# Altium PCB SolderingStation_ASCII.PcbDoc (part 3 of 3)
Units mm, origin at the board's own origin, x right, y up, seen from the top; angles counter-clockwise.
Board outline 138.15 x 60.81 mm, 2 copper layers (Top Layer, Bottom Layer), stack 1.671 mm thick; 227 components, 141 nets, 684 pads, 483 vias.
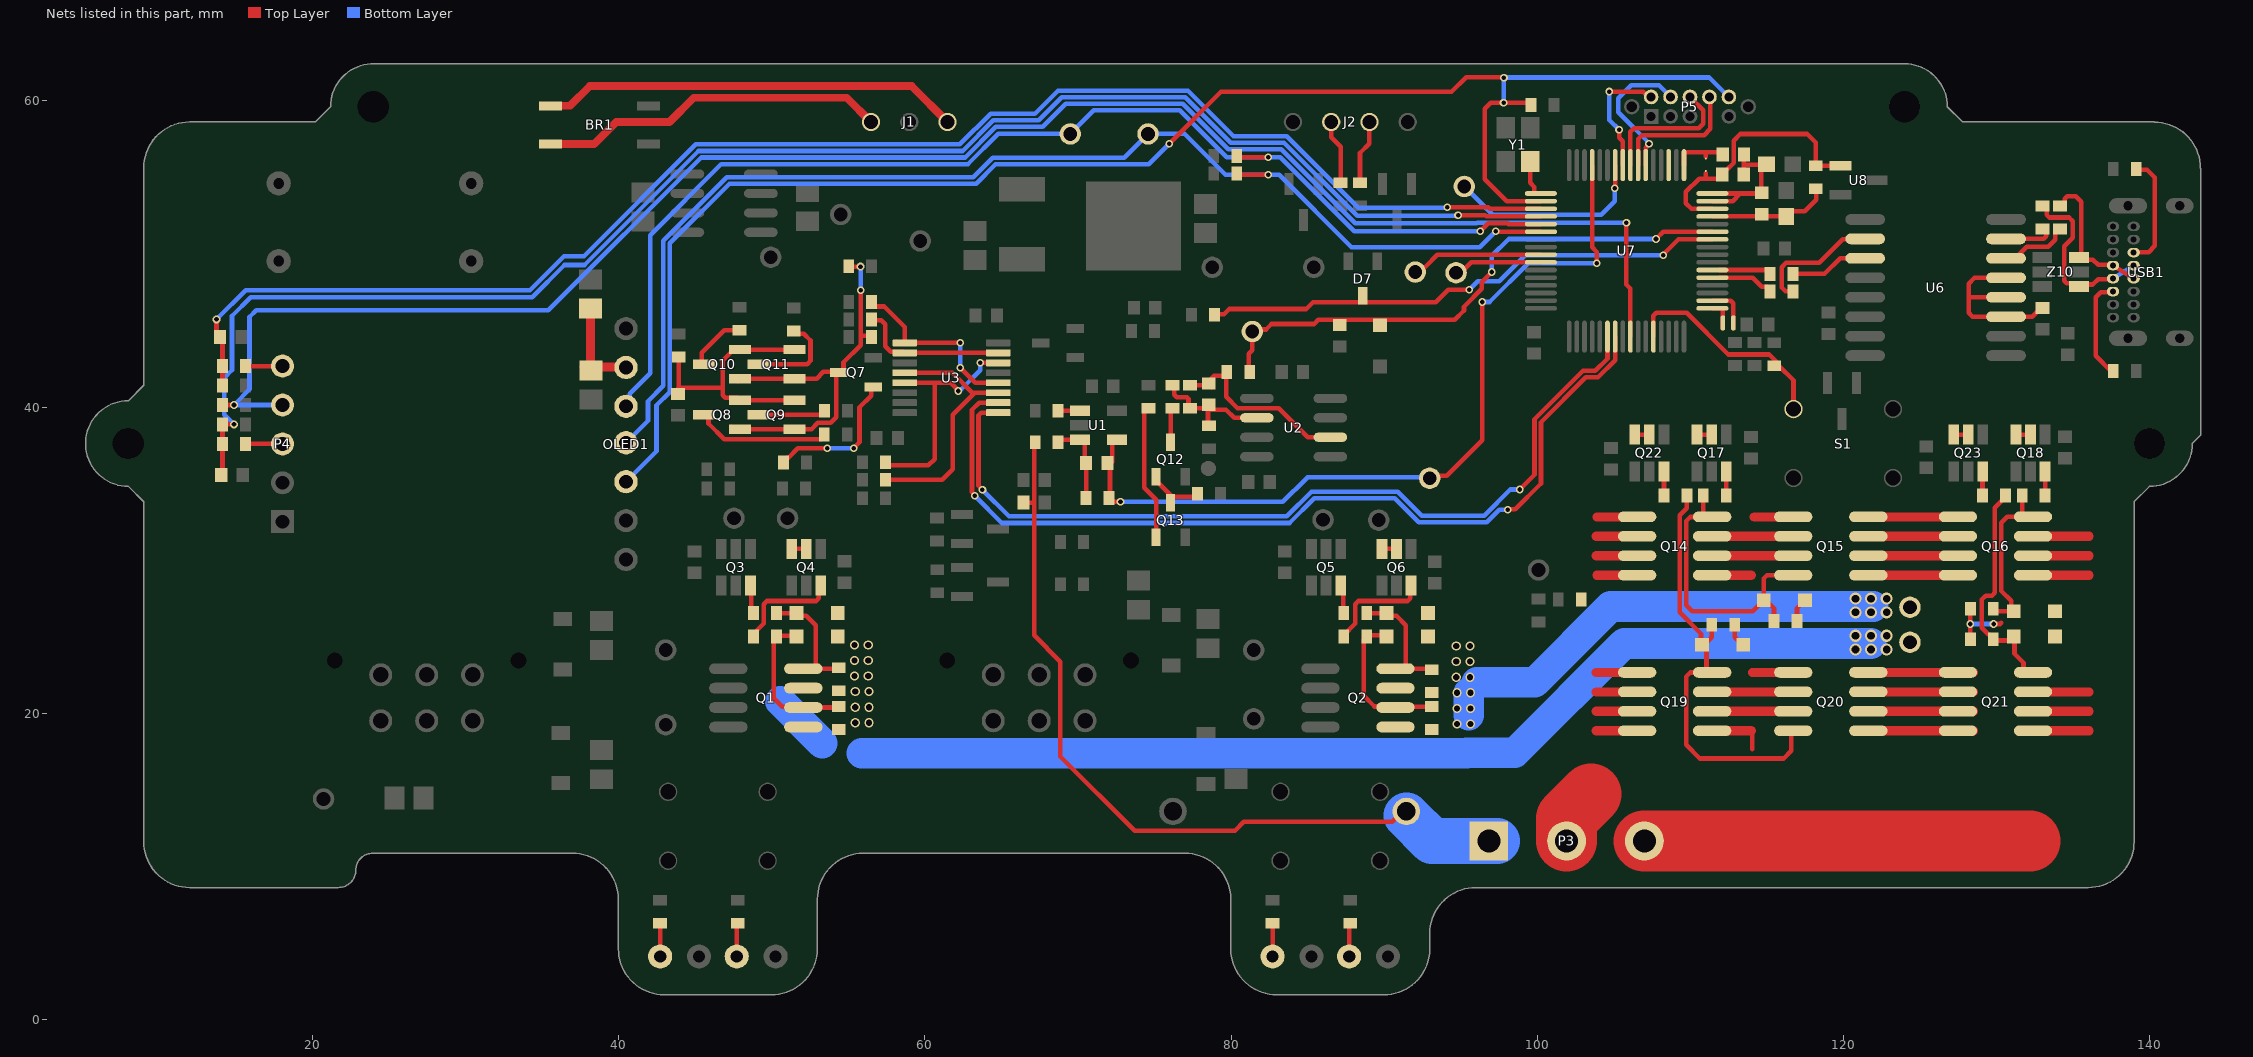
[diagram p3: the nets of this part, all layers, seen from the top]

## Via types
v1: diameter 0.5, hole 0.3, Top Layer to Bottom Layer, tented both sides, 440 vias
v2: diameter 0.6, hole 0.4, Top Layer to Bottom Layer, tented both sides, 30 vias
v3: diameter 0.8, hole 0.5, Top Layer to Bottom Layer, tented both sides, 12 vias
v4: diameter 0.75, hole 0.3, Top Layer to Bottom Layer, tented both sides, 1 vias

## Nets (pads, with @x,y where several pads share a name; then routed paths per layer and width w, separated by ;. In a path a pad name is that pad's centre, name@x,y a point inside that pad or via, vN(x,y) a via of type N, cw(c..) or ccw(c..) an arc to the next point about the centre after c; other vN are vias at no path point) (continued)
MUX_SEL0: U3.9 U7.54 | length 56.9
  Top Layer w0.3: v1(63.754,34.59) 63.754,34.612 63.5,34.866 63.5,39.461 63.676,39.636 U3.9@64.684,39.636 ; v1(98.857,34.615) 99.809,35.568 99.809,39.192 102.98,42.362 103.784,42.362 104.577,43.155 U7.54@104.577,44.599
  Bottom Layer w0.3: v1(63.754,34.59) 65.489,32.855 83.631,32.855 85.246,34.47 90.879,34.47 92.445,32.904 96.522,32.904 98.233,34.615 v1(98.857,34.615)
MUX_SEL1: U3.10 U7.55 | length 59.6
  Top Layer w0.3: v1(63.246,34.209) 63.246,34.263 63.073,34.436 63.073,39.813 63.546,40.286 U3.10@64.684,40.286 ; v1(98.075,33.289) 98.113,33.327 98.559,33.327 100.236,35.004 100.236,39.015 103.157,41.935 103.961,41.935 105.077,43.051 U7.55@105.077,44.599
  Bottom Layer w0.3: v1(63.246,34.209) 65.027,32.428 83.808,32.428 85.423,34.043 90.696,34.043 92.262,32.477 96.699,32.477 97.511,33.289 v1(98.075,33.289)
NetBR1_3: BR1.3 J1.1 | length 27.4
  Top Layer w0.508: BR1.3@35.547,59.671 36.822,59.671 38.112,60.961 59.132,60.961 J1.1@61.476,58.617
NetBR1_4: BR1.4 J1.3 | length 22.8
  Top Layer w0.508: BR1.4@35.547,57.171 38.386,57.171 39.832,58.617 43.319,58.617 44.901,60.199 54.894,60.199 J1.3@56.476,58.617
NetC10_1: C10.1 R16.1 R17.1 U1.3 | length 5.1
  Top Layer w0.3: R16.1@68.783,37.797 68.849,37.863 U1.3@70.185,37.863 ; U1.3@70.446,37.797 70.446,36.678 70.522,36.601 R17.1@70.522,34.138
NetC16_1: C16.1 R26.2 R27.1 R28.1 U2.2 | length 7.1
  Top Layer w0.3: R27.1@76.196,41.417 R27.1@76.198,41.419 ; R27.1@76.225,41.415 76.277,41.363 76.277,40.816 76.453,40.64 77.115,40.64 77.215,40.54 77.215,39.989 77.29,39.914 77.292,39.915 78.411,39.915 C16.1@78.461,39.866 ; R26.2@78.484,38.777 78.484,39.817 79.664,39.817 80.191,39.29 U2.2@80.836,39.29
NetC16_2: C16.2 R28.2 R29.2 U2.6 | length 12.5
  Top Layer w0.3: R28.2@77.292,41.415 78.31,41.415 78.461,41.566 78.461,41.616 78.881,42.037 79.517,42.037 79.641,42.161 79.68,42.122 79.68,40.665 80.416,39.929 83.109,39.929 85.01,38.027 U2.6@86.48,38.027 ; C16.2@78.461,41.559 C16.2@78.727,41.293
NetC17_2: C17.2 Q8.2 Q9.2 Q10.2 Q11.2 R24.2 | length 17.1
  Top Layer w0.3: C17.2@43.866,41.007 44.108,41.25 46.787,41.25 ; 43.885,41.268 43.917,41.3 R24.2@43.917,43.268 ; 49.671,43.75 47.498,43.75 47.348,43.6 47.348,43.597 46.787,43.037 46.787,41.25 ; 49.694,43.75 Q11.2@51.479,43.75 ; Q9.2@51.479,40.448 Q8.2@47.923,40.448 47.773,40.598 46.963,40.598 46.787,40.774 46.787,41.25
NetC40_2: C40.2 L3.2 OLED1.6 | length 6.6
  Top Layer w0.6: C40.2@37.731,42.612 40.449,42.612 OLED1.6@40.476,42.585 ; C40.2@38.151,42.608 L3.2@38.151,46.442
NetD5_A: D5.A R9.1 | length 2.3
  Top Layer w0.3: D5.A@47.766,4.177 D5.A@47.706,4.117 47.706,6.219 R9.1@47.776,6.289
NetD6_A: D6.A R10.1 | length 2.4
  Top Layer w0.3: R10.1@87.781,6.289 87.706,6.214 D6.A@87.706,4.117 D6.A@87.858,4.269
NetD14_A: D14.A R59.2 | length 2.3
  Top Layer w0.3: R59.2@82.701,6.289 82.706,6.284 D14.A@82.706,4.117 D14.A@82.792,4.203
NetD15_A: D15.A R62.1 | length 2.2
  Top Layer w0.3: R62.1@42.696,6.289 42.706,6.279 D15.A@42.706,4.117 D15.A@42.726,4.137
NetJ2_2: J2.2 R52.2 | length 4.2
  Top Layer w0.3: R52.2@88.416,54.652 88.416,56.589 89.031,57.204 J2.2@89.031,58.617
NetJ2_3: J2.3 R56.2 | length 4.2
  Top Layer w0.3: J2.3@86.531,58.617 86.531,57.627 87.146,57.012 R56.2@87.146,54.652
NetP4_3: P4.3 R67.1 | length 2.4
  Top Layer w0.3: R67.1@15.621,37.593 P4.3@18.046,37.593
NetP4_5: P4.5 R66.1 | length 2.4
  Top Layer w0.3: R66.1@15.621,42.673 P4.5@18.046,42.673
NetQ1_2: Q1.2 R2.1 R6.2 Z2.A | length 9.7
  Top Layer w0.3: R6.2@50.19,25.071 51.502,25.071 Z2.A@51.522,25.091 ; R6.2@50.3,25.02 50.124,24.845 50.124,20.992 50.684,20.433 51.998,20.433 Q1.2@52.057,20.374 54.052,20.374 R2.1@54.114,20.436
NetQ1_4: Q1.4 R1.1 R5.2 Z1.A | length 7.6
  Top Layer w0.3: R5.2@50.19,26.544 50.194,26.54 Z1.A@51.268,26.54 ; Z1.A@51.333,26.413 Z1.A@51.379,26.367 ; Z1.A@51.522,26.54 51.7,26.362 52.246,26.362 52.861,25.747 Q1.4@52.861,23.025 ; Q1.4@52.057,22.914 52.861,22.914 54.052,22.914 R1.1@54.114,22.976
NetQ2_2: Q2.2 R4.1 R8.2 Z4.A | length 9.8
  Top Layer w0.3: R8.2@88.85,25.02 88.656,24.827 88.656,21.143 89.36,20.439 90.662,20.439 Q2.2@90.727,20.374 90.789,20.436 R4.1@92.784,20.436 ; R8.2@88.86,25.147 88.916,25.091 Z4.A@90.192,25.091
NetQ2_4: Q2.4 R3.1 R7.2 Z3.A | length 7.7
  Top Layer w0.3: R7.2@88.744,26.54 Z3.A@89.818,26.54 ; Z3.A@90.25,26.362 90.796,26.362 91.411,25.747 Q2.4@91.411,23.025 ; Q2.4@90.566,23.075 Q2.4@90.727,22.914 R3.1@92.722,22.914 ; R3.1@92.784,22.976 R3.1@92.722,22.914 ; R3.1@92.849,22.849 92.784,22.914 R3.1@92.722,22.914
NetQ3_1: Q3.1 R5.1 | length 1.8
  Top Layer w0.3: Q3.1@48.663,28.34 48.663,26.572 R5.1@48.69,26.544
NetQ4_1: Q4.1 R6.1 | length 7
  Top Layer w0.3: R6.1@48.69,25.071 R6.1@48.69,25.171 ; R6.1@48.74,25.121 49.479,25.86 49.479,27.129 49.68,27.33 52.895,27.33 53.071,27.506 Q4.1@53.071,28.34
NetQ4_4: Q4.4 Q4.5 | length 1
  Top Layer w0.3: Q4.4@51.171,30.74 Q4.5@52.121,30.74
NetQ5_1: Q5.1 R7.1 | length 1.8
  Top Layer w0.3: Q5.1@87.333,28.34 87.333,26.572 R7.1@87.36,26.544
NetQ6_1: Q6.1 R8.1 | length 7
  Top Layer w0.3: R8.1@87.32,25.071 R8.1@87.32,25.171 ; R8.1@87.345,25.096 88.109,25.86 88.109,27.129 88.31,27.33 91.525,27.33 91.701,27.506 Q6.1@91.701,28.34
NetQ6_4: Q6.4 Q6.5 | length 1
  Top Layer w0.3: Q6.4@89.841,30.74 Q6.5@90.791,30.74
NetQ7_1: Q7.1 R20.1 | length 9.6
  Top Layer w0.3: R20.1@50.761,36.373 50.761,36.473 50.961,36.673 51.061,36.673 51.701,37.313 v1(53.619,37.313) ; v1(55.347,37.313) 55.728,37.694 55.728,39.98 56.489,40.741 56.489,41.181 Q7.1@56.624,41.316
  Bottom Layer w0.3: v1(53.619,37.313) v1(55.347,37.313)
NetQ7_3: Q7.3 Q8.1 Q9.1 Q10.1 Q11.1 R18.2 R21.2 | length 26.1
  Top Layer w0.3: Q8.1@47.348,38.698 47.498,38.548 Q8.1@47.923,38.548 Q9.1@51.429,38.548 ; Q10.1@47.773,41.7 Q10.1@47.923,41.85 Q11.1@51.429,41.85 ; Q9.1@51.479,38.548 51.489,38.559 52.594,38.559 53.01,38.976 53.855,38.976 54.201,39.322 Q7.3@54.201,42.266 ; Q11.1@51.479,41.85 52.925,41.85 53.371,42.296 54.071,42.296 54.102,42.266 Q7.3@54.201,42.266 ; Q7.3@54.374,42.266 Q7.3@54.201,42.266 ; Q7.3@54.374,42.296 54.56,42.296 54.68,42.416 54.68,42.919 55.804,44.044 55.804,44.753 ; R18.2@55.028,49.2 55.054,49.174 v1(55.788,49.174) ; v1(55.804,47.625) 55.804,44.753 ; R21.2@56.515,44.577 56.426,44.666 55.891,44.666 55.804,44.753
  Bottom Layer w0.3: v1(55.788,49.174) 55.804,49.159 v1(55.804,47.625)
NetQ8_3: Q8.3 R32.2 | length 8.6
  Top Layer w0.3: Q8.3@45.759,39.45 45.861,39.348 45.861,38.924 46.884,37.902 53.228,37.902 R32.2@53.413,38.086
NetQ9_3: Q9.3 R30.2 | length 4.2
  Top Layer w0.3: Q9.3@49.179,39.498 R30.2@53.418,39.498
NetQ10_3: Q10.3 R33.2 | length 3.8
  Top Layer w0.3: Q10.3@45.573,42.8 45.431,42.942 45.431,43.551 46.9,45.021 R33.2@47.828,45.021
NetQ11_3: Q11.3 R31.2 | length 6.2
  Top Layer w0.3: Q11.3@49.129,42.8 52.3,42.8 52.527,43.028 52.527,44.348 52.089,44.787 51.618,44.787 R31.2@51.435,44.97
NetQ12_1: Q12.1 Q13.3 R39.2 | length 3.4
  Top Layer w0.3: Q12.1@75.098,35.451 75.098,35.176 75.248,35.026 75.261,35.026 76.149,34.138 R39.2@77.787,34.138
NetQ12_3: Q12.3 R27.2 | length 2.3
  Top Layer w0.3: Q12.3@76.048,37.701 76.048,39.738 R27.2@76.225,39.915
NetQ13_1: Q13.1 R35.1 | length 9
  Top Layer w0.3: R35.1@74.6,39.992 74.52,39.992 74.32,39.792 74.32,34.722 75.098,33.945 Q13.1@75.098,31.489
NetQ14_4: Q14.4 Q15.4 R40.2 R42.2 Z6.A | length 19.2
  Top Layer w0.3: R42.2@110.832,34.214 110.832,32.936 110.947,32.821 109.991,32.821 109.728,32.558 109.728,27.051 110.109,26.67 114.074,26.67 Z6.A@114.781,27.377 ; Z6.A@114.929,27.377 115.455,26.851 R40.2@115.455,26.035 ; Z6.A@115.081,27.077 Z6.A@114.781,27.377 ; Q15.4@116.713,29.018 114.997,29.018 114.781,28.802 Z6.A@114.781,27.377
NetQ16_4: Q16.4 R41.1 R43.2 Z7.A | length 10
  Top Layer w0.3: R41.1@129.982,26.65 Z7.A@130.937,26.65 ; Z7.A@130.937,26.67 130.937,27.351 130.302,27.986 130.302,32.431 130.699,32.828 131.75,32.828 131.66,32.918 R43.2@131.66,34.214
NetQ17_1: Q17.1 R42.1 | length 1.7
  Top Layer w0.3: R42.1@112.278,34.16 R42.1@112.332,34.214 112.329,34.217 Q17.1@112.329,35.803
NetQ17_4: Q17.4 Q17.5 | length 1
  Top Layer w0.3: Q17.4@110.429,38.203 Q17.5@111.379,38.203
NetQ18_1: Q18.1 R43.1 | length 1.7
  Top Layer w0.3: R43.1@133.106,34.16 R43.1@133.16,34.214 133.16,35.8 Q18.1@133.157,35.803
NetQ18_4: Q18.4 Q18.5 | length 1
  Top Layer w0.3: Q18.4@131.257,38.203 Q18.5@132.207,38.203
NetQ19_4: Q19.4 Q20.4 R44.1 R46.2 Z8.A | length 28.9
  Top Layer w0.3: R46.2@109.767,34.214 109.767,33.389 109.301,32.923 109.301,26.589 110.684,25.206 110.684,24.54 Z8.A@110.743,24.482 ; Z8.A@110.825,24.399 111.043,24.182 111.043,22.833 Q19.4@110.871,22.661 ; Z8.A@110.865,24.439 111.391,24.965 R44.1@111.391,25.781 ; Q19.4@110.977,22.661 Q19.4@110.871,22.661 ; Q19.4@110.977,22.668 Q19.4@111.416,22.668 ; Q20.4@116.577,18.749 116.577,17.542 116.078,17.043 110.617,17.043 109.728,17.932 109.728,22.398 109.991,22.661 Q19.4@110.871,22.661
NetQ21_4: Q21.4 R45.1 R47.2 Z9.A | length 14.6
  Top Layer w0.3: R45.1@129.782,24.827 129.782,24.927 129.582,25.127 129.482,25.127 129.032,25.577 129.032,27.432 129.286,27.686 129.694,27.686 129.87,27.862 129.87,33.415 R47.2@130.569,34.114 ; R45.1@129.982,24.75 131.159,24.75 131.159,23.88 131.747,23.292 131.747,22.853 131.932,22.668 Q21.4@132.371,22.668
NetQ22_1: Q22.1 R46.1 | length 1.8
  Top Layer w0.3: R46.1@108.067,34.414 R46.1@108.134,34.347 ; R46.1@108.194,34.287 R46.1@108.267,34.214 108.267,35.801 Q22.1@108.265,35.803
NetQ22_4: Q22.4 Q22.5 | length 1
  Top Layer w0.3: Q22.4@106.365,38.203 Q22.5@107.315,38.203
NetQ23_1: Q23.1 R47.1 | length 1.7
  Top Layer w0.3: Q23.1@129.093,35.803 129.069,35.779 R47.1@129.069,34.214 R47.1@129.123,34.268
NetQ23_4: Q23.4 Q23.5 | length 1
  Top Layer w0.3: Q23.4@127.193,38.203 Q23.5@128.143,38.203
NetR14_1: R14.1 U1.1 | length 1.4
  Top Layer w0.3: R14.1@68.783,39.702 68.844,39.763 U1.1@70.135,39.763
NetR34_1: R34.1 U3.2 U3.15 | length 10
  Top Layer w0.3: R34.1@56.515,45.721 56.556,45.68 56.69,45.68 57.139,45.68 57.404,45.415 57.404,43.967 57.76,43.611 58.609,43.611 U3.2@58.684,43.536 U3.15@64.784,43.536
NetR36_1: R36.1 U3.1 U3.12 | length 12.1
  Top Layer w0.3: R36.1@56.515,46.764 56.715,46.564 57.347,46.564 58.684,45.228 U3.1@58.684,44.186 62.297,44.186 v1(62.306,44.196) ; U3.1@58.129,44.261 U3.1@58.204,44.186 ; v1(62.306,42.577) 63.297,41.586 U3.12@64.784,41.586
  Bottom Layer w0.3: v1(62.306,42.577) v1(62.306,44.196)
NetR37_1: R37.1 U3.5 U3.14 | length 15.9
  Top Layer w0.3: R37.1@57.404,36.396 57.605,36.195 60.223,36.195 60.63,36.601 60.63,41.586 ; U3.5@58.684,41.586 60.63,41.586 ; v1(62.179,41.046) 62.179,41.097 61.69,41.586 60.63,41.586 ; v1(63.602,42.901) 63.613,42.889 64.781,42.889 U3.14@64.784,42.886
  Bottom Layer w0.3: v1(62.179,41.046) 62.233,41.046 62.333,41.146 62.355,41.146 63.602,42.393 v1(63.602,42.901)
NetR38_1: R38.1 U3.4 U3.11 | length 16.8
  Top Layer w0.3: R38.1@57.417,35.255 61.138,35.255 61.824,35.941 61.824,39.497 63.263,40.936 ; U3.4@58.684,42.236 61.802,42.236 63.102,40.936 63.263,40.936 ; U3.11@64.684,40.936 63.263,40.936
NetR51_1: R51.1 U6.7 | length 4
  Top Layer w0.3: U6.7@129.808,50.981 130.558,50.981 133.071,50.981 133.247,51.157 R51.1@133.247,51.616
NetR53_1: R53.1 U6.6 | length 5.5
  Top Layer w0.3: U6.6@129.726,49.711 131.208,49.711 131.962,50.466 133.366,50.466 133.836,50.935 133.836,51.428 134.036,51.628 R53.1@134.136,51.628
NetR55_1: R55.1 USB1.A5 | length 6.6
  Top Layer w0.3: R55.1@137.515,42.345 137.465,42.345 136.46,43.35 136.46,47.171 136.785,47.497 137.55,47.497 USB1.A5@137.596,47.542
NetR58_1: R58.1 USB1.B5 | length 7.5
  Top Layer w0.3: USB1.B5@138.945,50.092 138.974,50.121 139.917,50.121 140.321,50.525 140.321,54.994 139.813,55.502 139.166,55.502 R58.1@139.115,55.553
NetR60_1: R60.1 U6.11 | length 5.2
  Top Layer w0.3: R60.1@116.699,48.695 118.753,48.695 119.769,49.711 U6.11@121.408,49.711 U6.11@121.508,49.711
NetR61_1: R61.1 U6.10 | length 8.5
  Top Layer w0.3: R61.1@116.699,47.552 116.203,47.552 115.949,47.806 115.949,49.137 116.234,49.422 118.409,49.422 119.947,50.961 121.487,50.961 U6.10@121.508,50.981
OVERCURRENT: C10.2 OC.1 R17.2 U1.4 U7.29 | length 54.1
  Top Layer w0.3: R17.2@72.022,34.061 72.085,34.124 C10.2@72.085,36.273 ; R17.2@72.061,34.1 72.061,34.098 72.222,33.936 72.222,33.809 v1(72.771,33.809) ; C10.2@72.224,36.412 U1.4@72.224,37.924 ; OC.1@92.964,35.352 93.136,35.524 94.076,35.524 96.393,37.841 v1(96.393,46.863) ; U7.29@103.577,55.799 103.577,50.437 103.886,50.128 v1(103.886,49.384)
  Bottom Layer w0.3: v1(72.771,33.809) 83.377,33.809 84.892,35.324 84.905,35.324 84.984,35.403 92.913,35.403 OC.1@92.964,35.352 ; v1(96.393,46.863) 96.876,46.863 99.397,49.384 v1(103.886,49.384)
QUAD_A: C35.2 R63.1 R67.2 U7.36 | length 106.4
  Top Layer w0.3: C35.2@13.894,35.561 14.121,35.788 R63.1@14.121,38.863 v1(14.871,38.863) ; v1(94.818,52.529) 96.595,52.529 96.675,52.449 U7.36@100.227,52.449
  Bottom Layer w0.3: v1(14.871,38.863) 14.236,39.498 14.236,41.911 14.744,42.419 14.744,45.944 15.964,47.164 34.348,47.164 36.461,49.277 37.762,49.277 45.209,56.724 62.456,56.724 64.453,58.721 67.434,58.721 68.947,60.234 77.003,60.234 79.976,57.261 83.453,57.261 88.222,52.492 94.781,52.492 v1(94.818,52.529)
QUAD_B: C36.2 R65.1 R66.2 U7.35 | length 100.4
  Top Layer w0.3: v1(13.728,45.721) 13.728,44.656 13.806,44.578 14.121,44.263 R65.1@14.121,41.403 ; v1(94.107,53.056) 96.792,53.056 96.899,52.949 U7.35@100.227,52.949
  Bottom Layer w0.3: v1(13.728,45.721) 15.633,47.626 34.206,47.626 36.428,49.849 37.729,49.849 45.032,57.151 62.28,57.151 64.286,59.158 67.184,59.158 68.688,60.661 77.18,60.661 80.153,57.688 83.63,57.688 88.299,53.019 94.07,53.019 v1(94.107,53.056)
QUAD_BTN: P4.4 R64.1 U7.57 | length 116.6
  Top Layer w0.3: R64.1@14.121,40.133 v1(14.871,40.133) ; v1(105.816,52.045) v1(105.816,52.045) 105.815,48.002 106.077,47.741 U7.57@106.077,44.599
  Bottom Layer w0.3: P4.4@18.046,40.133 v1(14.871,40.133) 15.887,41.149 15.887,45.88 16.317,46.31 35.399,46.31 45.386,56.297 62.633,56.297 64.63,58.294 67.692,58.294 69.205,59.807 76.826,59.807 79.799,56.834 83.276,56.834 88.108,52.002 96.047,52.002 96.089,52.045 105.724,52.045 105.742,52.027 v1@105.799,52.027
RESETb: OLED1.3 P5.10 R71.1 U7.34 | length 104.7
  Top Layer w0.3: v1@75.952,57.199 79.334,60.58 94.393,60.58 95.352,61.539 97.782,61.539 v1(97.815,61.506) ; R71.1@99.58,59.736 99.453,59.863 v1(97.79,59.863) 96.952,59.863 96.571,59.482 96.571,54.885 98.006,53.449 U7.34@100.227,53.449
  Bottom Layer w0.3: OLED1.3@40.476,35.125 42.469,37.119 42.469,40.107 43.332,40.97 43.332,50.688 47.234,54.589 63.341,54.589 64.611,55.859 74.613,55.859 v1(75.949,57.196) ; v1(97.79,59.863) 97.79,61.481 v1(97.815,61.506) ; v1@97.815,61.489 97.849,61.522 111.237,61.522 P5.10@112.507,60.252
SCL: OLED1.5 R70.1 SCL.1 U7.37 | length 79
  Top Layer w0.3: R70.1@80.365,56.389 80.448,56.307 v1(82.423,56.307) ; v1(96.266,51.476) 96.793,52.003 98.06,52.003 98.114,51.949 U7.37@100.227,51.949
  Bottom Layer w0.3: OLED1.5@40.476,40.045 40.71,40.28 40.71,40.857 42.051,42.199 42.051,51.219 46.703,55.87 62.81,55.87 64.779,57.839 SCL.1@69.493,57.839 71.034,59.38 76.649,59.38 79.722,56.307 v1(82.423,56.307) ; v1@82.432,56.316 82.442,56.307 83.199,56.307 88.03,51.476 v1(96.266,51.476)
SDA: OLED1.4 R69.1 SDA.1 U7.38 | length 80
  Top Layer w0.3: R69.1@80.365,55.246 80.448,55.164 v1(82.423,55.164) ; v1(97.282,51.476) 97.309,51.449 U7.38@100.227,51.449
  Bottom Layer w0.3: OLED1.4@40.476,37.665 41.91,39.1 41.91,40.386 42.905,41.381 42.905,50.865 47.057,55.016 63.164,55.016 64.434,56.286 73.02,56.286 SDA.1@74.573,57.839 76.955,57.839 79.63,55.164 v1(82.423,55.164) 83.134,55.164 87.859,50.44 96.246,50.44 v1(97.282,51.476)
SEL_BTN: R50.1 S1.2 U7.60 | length 14.4
  Top Layer w0.3: U7.60@107.577,44.599 107.577,45.971 107.753,46.147 109.758,46.147 112.471,43.434 115.144,43.434 115.768,42.809 115.768,42.709 116.726,41.752 S1.2@116.726,39.867
SPARE1: T1.1 U7.26 | length 13
  Top Layer w0.3: v1(105.054,54.28) 105.077,54.302 U7.26@105.077,55.799
  Bottom Layer w0.3: T1.1@95.479,54.148 97.079,52.548 104.161,52.548 105.054,53.442 v1(105.054,54.28)
SPARE2: T2.1 U7.41 | length 8.4
  Top Layer w0.3: T2.1@92.329,48.814 92.329,48.821 92.683,49.175 92.69,49.175 93.464,49.949 U7.41@100.227,49.949
SPARE3: T3.1 U7.42 | length 5.5
  Top Layer w0.3: T3.1@94.996,48.768 94.996,48.775 95.35,49.129 95.357,49.129 95.677,49.449 U7.42@100.227,49.449
SPARE4: pad.Com@112.116,45.491 U7.1 | length 2
  Top Layer w0.3: U7.1@111.427,46.449 112.116,46.449 pad.Com@112.116,45.158
SPARE5: pad.Com@112.801,45.491 U7.2 | length 3.1
  Top Layer w0.3: U7.2@111.427,46.949 112.626,46.949 112.801,46.773 pad.Com@112.801,45.136
SWD_CLK: P5.4 U7.22 | length 9.4
  Top Layer w0.3: U7.22@107.077,55.799 107.077,56.934 107.29,57.147 v1(107.29,57.201)
  Bottom Layer w0.3: v1(107.29,57.201) 107.29,57.246 105.283,59.252 105.283,60.173 106.12,61.009 107.94,61.009 P5.4@108.697,60.252
SWD_DIO: P5.2 U7.25 | length 8.2
  Top Layer w0.3: v1(104.699,60.604) 106.922,60.604 107.274,60.252 P5.2@107.427,60.252 ; v1(105.334,58.115) 105.334,57.6 105.577,57.357 U7.25@105.577,55.799
  Bottom Layer w0.3: v1(104.699,60.604) 104.699,58.75 v1(105.334,58.115) ; P5.2@107.25,60.252 P5.2@107.427,60.252
SWD_Rx: P5.8 U7.23 | length 8.8
  Top Layer w0.3: U7.23@106.577,55.799 106.577,57.504 106.832,57.76 110.896,57.76 111.303,58.166 111.303,60.187 P5.8@111.237,60.252
SWD_Tx: P5.6 U7.24 | length 9.3
  Top Layer w0.3: U7.24@106.077,55.799 106.077,57.969 106.32,58.212 110.541,58.212 110.832,58.503 110.832,59.388 P5.6@109.967,60.252
USBD_N: R60.2 U7.6 | length 3.5
  Top Layer w0.3: U7.6@111.866,48.952 114.976,48.952 115.199,48.729 R60.2@115.199,48.695
USBD_P: R61.2 U7.5 | length 3.8
  Top Layer w0.3: U7.5@111.874,48.444 114.065,48.444 114.66,47.849 114.999,47.849 115.199,47.649 R61.2@115.199,47.552
USBD_R_N: R53.2 USB1.A7 USB1.B7 Z10.3 | length 10.1
  Top Layer w0.3: R53.2@134.136,53.128 134.236,53.128 134.436,53.328 134.436,53.6 134.611,53.775 135.159,53.775 135.523,53.411 Z10.3@135.523,49.947 ; Z10.3@135.015,49.947 135.19,49.772 Z10.3@135.374,49.772 ; Z10.3@135.308,49.706 135.381,49.633 136.284,49.633 136.629,49.288 137.55,49.288 USB1.A7@137.596,49.242 USB1.B7@138.945,48.392
  Bottom Layer w0.3: USB1.A7@137.419,49.242 USB1.A7@137.596,49.242
USBD_R_P: R51.2 USB1.A6 USB1.B6 Z10.1 | length 12.1
  Top Layer w0.3: R51.2@132.993,53.128 133.055,53.128 133.255,52.928 133.255,52.554 133.43,52.378 134.722,52.378 134.969,52.131 134.969,51.055 134.403,50.489 134.403,48.248 134.579,48.072 135.174,48.072 Z10.1@135.374,47.872 ; Z10.1@135.252,47.872 135.381,48.002 136.274,48.002 136.624,48.352 137.555,48.352 USB1.A6@137.596,48.392
  Bottom Layer w0.3: USB1.A6@137.534,48.454 USB1.A6@137.596,48.392 USB1.B6@138.945,49.242
V12: P3.2 Q14.5 Q14.6 Q14.7 Q14.8 Q19.5 Q19.6 Q19.7 Q19.8 R48.1 | length 25
  Top Layer w0.6: 103.849,18.858 Q19.8@106.516,18.858 ; 103.849,20.128 Q19.7@106.516,20.128 ; 103.849,21.398 Q19.6@106.516,21.398 ; 103.849,22.668 Q19.5@106.516,22.668 ; 103.849,30.288 Q14.7@106.516,30.288 ; 103.849,31.558 Q14.6@106.516,31.558 ; 103.886,29.018 Q14.8@106.516,29.018 ; 103.886,32.828 Q14.5@106.516,32.828
  Top Layer w4: P3.2@101.905,11.659 101.905,13.132 103.505,14.732
V24: P3.3 Q16.1 Q16.2 Q16.3 Q21.1 Q21.2 Q21.3 R41.2 R45.2 Z7.K Z9.K | length 51.4
  Top Layer w0.3: R45.2@128.282,24.827 v1(128.282,25.827) R41.2@128.282,26.827 ; v1(129.794,25.827) 130.221,25.827 130.302,25.908
  Top Layer w0.6: Q21.1@132.321,18.858 136.017,18.858 ; Q21.2@132.321,20.128 136.017,20.128 ; Q21.3@132.321,21.398 136.017,21.398 ; Q16.1@132.321,29.018 136.017,29.018 ; Q16.2@132.321,30.288 136.017,30.288 ; Q16.3@132.321,31.558 136.017,31.558
  Top Layer w4: P3.3@106.985,11.659 132.176,11.659
  Bottom Layer w0.3: v1(128.282,25.827) v1(129.794,25.827)
Vdd1: C31.2 U6.3 U6.4 U6.5 | length 11.7
  Top Layer w0.3: U6.3@130.508,45.901 128.421,45.901 128.167,46.155 128.167,47.108 ; U6.4@130.508,47.171 128.23,47.171 128.167,47.108 ; U6.5@130.508,48.441 128.548,48.441 128.167,48.06 128.167,47.108 ; U6.3@130.889,45.901 132.32,45.901 132.993,46.574 C31.2@132.993,46.624
Vdda: C15.2 L4.1 R68.1 U7.13 | length 8
  Top Layer w0.3: U7.13@111.427,52.449 115.906,52.449 115.925,52.43 L4.1@115.925,52.059 ; L4.1@116.256,52.439 116.256,52.448 116.606,52.798 117.466,52.798 118.212,53.543 118.212,54.241 R68.1@118.186,54.266
Vnn: C9.2 P3.1 R16.2 R19.1 | length 54.4
  Top Layer w0.3: C9.2@66.282,33.757 67.107,33.757 67.132,33.731 ; R16.2@67.017,37.694 67.132,37.579 67.132,33.731 ; R19.1@91.821,13.97 R19.1@91.44,13.589 91.199,13.589 90.514,12.905 80.834,12.905 80.249,12.319 73.704,12.319 68.846,17.178 68.846,23.369 67.132,25.083 67.132,33.731
  Bottom Layer w3: R19.1@91.44,13.335 93.116,11.659 P3.1@96.825,11.659 P3.1@97.358,11.659
VpCh1: Q2.1 Q2.3 Q15.5 Q15.6 Q15.7 Q15.8 Q16.5 Q16.6 Q16.7 Q16.8 R3.2 R4.2 Vp1.1 Z3.K Z4.K | length 52.8
  Top Layer w0.6: Q15.5@121.613,29.018 Q16.8@127.471,29.018 ; Q15.6@121.613,30.288 Q16.7@127.471,30.288 ; Q15.7@121.613,31.558 Q16.6@127.471,31.558 ; Q15.8@121.613,32.828 Q16.5@127.471,32.828
  Bottom Layer w2: 95.528,19.866 v2@95.528,21.336 ; 96.057,22.017 99.822,22.017 104.775,26.97 120.777,26.97 121.945,26.97
  other v2: 94.742,19.304 95.631,19.304 94.742,20.32 95.631,20.32 94.742,21.336 95.631,21.336 94.702,22.356 95.591,22.356 94.702,23.372 95.591,23.372 94.702,24.388 95.591,24.388
  other v3: 120.777,26.589 121.793,26.589 122.809,26.589 120.777,27.489 121.793,27.489 122.809,27.489
VpCh2: Q1.1 Q1.3 Q20.5 Q20.6 Q20.7 Q20.8 Q21.5 Q21.6 Q21.7 Q21.8 R1.2 R2.2 Vp2.1 Z1.K Z2.K | length 100.2
  Top Layer w0.6: Q20.5@121.613,18.858 Q21.8@127.471,18.858 Q21.8@128.486,18.858 ; Q20.6@121.613,20.128 Q21.7@127.471,20.128 Q21.7@128.486,20.128 ; Q20.7@121.613,21.398 Q21.6@127.471,21.398 Q21.6@128.486,21.398 ; Q20.8@121.613,22.668 Q21.5@127.471,22.668 Q21.5@128.486,22.668
  Bottom Layer w2: 50.558,20.779 53.302,18.034 ; 55.88,17.4 95.378,17.4 95.393,17.415 98.522,17.415 105.664,24.557 120.777,24.557 v3@121.793,24.557
  other v2: 55.448,19.38 56.337,19.38 55.448,20.396 56.337,20.396 55.448,21.412 56.337,21.412 55.408,22.432 56.297,22.432 55.409,23.448 56.297,23.448 55.409,24.463 56.297,24.463
  other v3: 120.777,24.165 121.793,24.165 122.809,24.165 120.777,25.065 121.793,25.065 122.809,25.065
VpmCh1: Q14.1 Q14.2 Q14.3 Q15.1 Q15.2 Q15.3 R40.1 Z6.K | length 17.3
  Top Layer w0.3: R40.1@116.955,26.035 116.955,26.851 Z6.K@117.481,27.377 Z6.K@117.488,27.37
  Top Layer w0.6: Q14.1@111.416,29.018 113.963,29.018 ; Q14.2@111.416,30.288 Q15.3@116.713,30.288 ; Q14.3@111.416,31.558 Q15.2@116.713,31.558 ; 114.166,32.828 Q15.1@116.713,32.828
VpmCh2: Q19.1 Q19.2 Q19.3 Q20.1 Q20.2 Q20.3 R44.2 Z8.K | length 24.1
  Top Layer w0.3: R44.2@112.891,25.781 112.891,24.965 Z8.K@113.417,24.439 ; 114.033,17.644 114.033,18.858
  Top Layer w0.6: Q19.3@111.289,21.398 Q20.2@116.713,21.398 114.065,21.398 ; Q19.1@111.416,18.858 113.963,18.858 ; Q19.2@111.416,20.128 Q20.3@116.84,20.128 ; Q19.3@111.416,21.398 114.046,21.398 ; 114.046,22.668 Q20.1@116.713,22.668
Vrefh: BR2.2 C37.2 R68.2 U7.14 U8.1 | length 17.3
  Top Layer w0.3: 110.998,55.27 110.998,54.917 ; U7.14@111.427,52.949 110.068,52.949 109.703,53.315 109.703,54.051 110.569,54.917 110.998,54.917 ; U8.1@119.805,55.763 119.802,55.766 R68.2@118.186,55.766 118.186,57.28 117.631,57.836 113.259,57.836 112.824,57.402 112.824,55.943 112.376,55.494 112.326,55.494 112.076,55.244 C37.2@112.076,55.194 112.076,55.167 111.826,54.917 110.998,54.917
VrefOut: BR2.1 C39.2 U7.17 | length 3.8
  Top Layer w0.3: U7.17@109.577,55.799 109.577,56.642 111.049,56.642 ; 110.998,56.337 110.998,56.591 111.049,56.642 ; C39.2@112.101,56.49 111.949,56.642 111.049,56.642
VS_AMP: AMP.1 C43.2 D10.K R29.1 U7.11 | length 36.2
  Top Layer w0.3: R29.1@81.141,42.291 81.141,43.473 81.382,43.713 AMP.1@81.382,44.628 ; AMP.1@81.382,44.933 81.514,45.065 82.276,45.065 82.636,45.425 85.418,45.425 85.688,45.695 94.594,45.695 95.204,46.304 95.204,46.554 96.368,47.718 96.368,48.158 v1(97.028,48.819) ; v1(107.747,50.978) 108.218,51.449 U7.11@111.427,51.449
  Bottom Layer w0.3: v1(97.028,48.819) 97.028,49.886 98.12,50.978 v1(107.747,50.978)
VS_DIRECT: D7.3 R23.2 U7.10 | length 34.6
  Top Layer w0.3: R23.2@78.906,46.025 78.932,46.051 79.53,46.051 79.883,46.404 84.91,46.404 85.344,46.838 93.37,46.838 94.183,47.65 v1(95.555,47.65) ; v1(108.229,49.911) 108.229,49.962 109.217,50.949 U7.10@111.427,50.949
  Bottom Layer w0.3: v1(95.555,47.65) 96.114,48.209 97.511,48.209 99.219,49.917 108.223,49.917 v1(108.229,49.911)
Vssa: C15.1 C37.1 C39.1 L5.2 U7.15 U7.16 | length 9.8
  Top Layer w0.3: U7.15@111.427,53.449 112.758,53.449 113.258,53.949 ; U7.16@111.427,53.949 113.258,53.949 ; C37.1@113.476,55.194 113.476,55.829 ; C39.1@113.501,56.49 113.476,56.464 113.476,55.829 ; C15.1@114.503,53.949 113.258,53.949 ; C15.1@114.617,53.989 L5.2@114.617,55.829 ; L5.2@114.974,55.855 114.949,55.829 L5.2@114.617,55.829 ; 113.476,55.829 L5.2@114.617,55.829
XTAL: U7.33 Y1.1 | length 2.6
  Top Layer w0.3: Y1.1@99.531,56.038 99.531,54.645 99.803,54.373 99.803,53.949 U7.33@100.227,53.949 U7.33@100.246,53.949
XTAL32: U7.19
pads on no net: P1.0 P2.0 Qa.1 Qa.2 Qa.3 Qb.1 Qb.2 Qb.3 Ra.1 Ra.2 Rb.1 Rb.2 Rc.1 Rc.2 Rd.1 Rd.2 S1.2b S2.2b S3.2b SP1.0 SP2.0 SP3.0 SP4.0 U2.1 U2.5 U2.8 U5.4 U5.8 U7.18 U7.27 U7.28 U8.3 USB1.A8 USB1.B8 Z10.4 Z10.6
copper on no net:
  other v4: 78.511,35.992

## Polygon pours and split planes (outlines as drawn)
GND on Top Layer "Top Layer GND" (solid, remove dead copper, pour order 27): 21.348,62.416 21.348,61.596 18.935,59.183 8.976,59.183 8.976,8.51 39.317,8.51 39.976,7.852 39.976,1.617 53.987,1.617 53.987,9.145 55.003,10.161 78.117,10.161 79.768,8.51 79.768,1.617 93.865,1.617 93.865,6.732 95.516,8.383 138.938,8.383 138.986,40.821 126.516,40.821 126.516,62.416
Gnd_USB on Top Layer "Top Layer GND_USB" (solid, remove dead copper, pour order 26): 143.33,57.458 143.33,41.202 127.024,41.202 127.024,57.458
-9V on Top Layer "Top Layer -9V" (solid, pour order 25): 47.027,54.649 50.976,54.649 50.976,48.649 42.976,48.649 42.976,54.649
V12 on Top Layer "Top Layer V12" (solid, remove dead copper, pour order 24): 104.851,34.209 102.108,31.466 102.108,13.635 109.855,13.635 109.855,34.209
VpCh2 on Top Layer "Top Layer VCh2" (solid, remove dead copper, pour order 22): 129.921,25.7 129.921,13.635 118.986,13.635 118.986,25.7
VpCh1 on Top Layer "Top Layer VCh1" (solid, remove dead copper, pour order 21): 129.972,34.209 129.972,25.908 118.999,25.908 118.999,34.209
CH1a_Htr+ on Top Layer "Top Layer CH1a_Htr+" (solid, pour order 19): 70.128,23.773 71.756,25.401 88.531,25.401 88.531,21.058 70.128,21.058
CH2a_Htr+ on Top Layer "Top Layer CH2a_Htr+" (solid, remove dead copper, pour order 15): 30.099,23.749 31.751,25.401 49.288,25.401 49.288,20.956 30.099,20.956
VpCh2 on Top Layer "Top Layer VpCh2" (solid, pour order 8): 49.542,27.407 49.542,16.183 56.831,16.183 56.831,27.407
VpCh1 on Top Layer "Top Layer VpCh1" (solid, pour order 6): 95.976,18.302 94.209,16.535 88.088,16.535 88.088,27.58 95.976,27.58
VpmCh2 on Top Layer "Top Layer VpmCh2" (solid, remove dead copper, pour order 4): 118.999,25.654 118.999,13.635 109.804,13.635 109.804,25.654
VpmCh1 on Top Layer "Top Layer VpmCh1" (solid, remove dead copper, pour order 3): 118.963,34.209 118.963,25.908 109.449,25.908 109.449,34.209
V24 on Top Layer "Top Layer AC24b" (solid, remove dead copper, pour order 1): 130.099,9.755 130.099,34.209 137.922,34.209 137.922,9.755
CH1b_Htr+ on Top Layer "Top Layer CH1b_Htr+" (solid, pour order 16): 70.128,18.507 72.124,16.511 88.531,16.511 88.531,20.956 70.128,20.956
CH2b_Htr+ on Top Layer "Top Layer CH2b_Htr+" (solid, remove dead copper, pour order 10): 30.099,18.294 31.882,16.511 49.288,16.511 49.288,20.956 30.099,20.956
GND on Bottom Layer "Bottom Layer Gnd" (solid, remove dead copper, pour order 18): 8.976,58.675 20.078,58.675 20.84,59.437 20.84,61.088 22.11,62.416 126.516,62.416 126.516,40.821 138.976,40.821 138.975,8.51 95.77,8.51 93.738,6.478 93.738,1.617 79.641,1.617 79.641,8.764 77.863,10.542 55.257,10.542 53.479,8.764 53.479,1.617 40.017,1.617 40.017,7.367 39.128,8.256 8.976,8.256
Gnd_USB on Bottom Layer "Bottom Layer Gnd_USB" (solid, remove dead copper, pour order 20): 127.024,57.585 143.305,57.585 143.305,41.202 127.024,41.202

## Keep-outs
Keep-Out Layer:
  lines w0.2: 7.976,34.817 cw(c7.976,37.617) 7.976,40.417 ; 8.976,33.817 8.976,11.617 ccw(c11.976,11.617) 11.976,8.617 21.69,8.617 ccw(c21.69,9.755) 22.827,9.755 cw(c23.927,9.755) 23.927,10.855 ; 8.976,41.417 8.976,55.617 cw(c11.976,55.617) 11.976,58.617 ; 12.012,58.617 20.176,58.617 21.176,59.617 cw(c23.976,59.617) 24.049,62.416 123.976,62.432 ; 23.927,10.852 36.976,10.852 cw(c36.976,7.852) 39.976,7.852 39.976,4.617 ; 123.976,62.417 cw(c123.976,59.617) 126.776,59.617 127.776,58.617 140.305,58.617 ; 138.976,33.817 138.976,11.617 cw(c135.976,11.617) 135.976,8.617 95.976,8.617 ccw(c95.976,5.617) 92.976,5.617 92.976,4.617 cw(c89.976,4.617) 89.976,1.617 82.976,1.617 cw(c82.976,4.617) 79.976,4.617 ; 139.976,34.817 ccw(c139.976,37.617) 142.776,37.617 143.33,38.172 ; 140.305,58.604 cw(c140.305,55.604) 143.305,55.604 ; 143.315,38.172 143.315,55.604 ; 39.976,4.617 ccw(c42.976,4.617) 42.976,1.617 49.976,1.617 ccw(c49.976,4.617) 52.976,4.617 52.976,7.852 cw(c55.976,7.852) 55.976,10.852 76.976,10.852 cw(c76.976,7.852) 79.976,7.852 79.976,4.617 ; 39.976,4.617 39.976,4.617 ; 79.976,4.617 79.976,4.617 ; 19.443,29.719 19.443,45.467 35.953,45.467 35.953,29.719 19.443,29.719
  lines w0.3: 7.976,34.817 8.976,33.817 ; 7.976,40.417 8.976,41.417 ; 138.976,33.817 139.976,34.817
  lines w0.508: 20.332,44.451 34.048,30.735 ; 21.094,30.862 34.556,44.324

## Other copper
Bottom Layer:
  rectangle net VpCh2: 120.317,23.573 125.095,25.573
  rectangle net VpCh1: 120.317,25.954 125.095,27.954
  rectangle net VpCh1: 82.866,18.542 96.963,24.819
  rectangle net VpCh2: 44.208,16.562 56.908,24.995

## Silkscreen, mask and mechanical layers (free items; w line width, h text height)
Top Overlay:
  circle w0.254: c115.646,11.811 r1.995
  circle w0.254: c120.294,11.811 r1.995
  circle w0.254: c124.943,11.811 r1.995
  lines w0.15: 114.148,54.788 114.148,57.353 114.224,57.429 115.24,58.445 ; 118.186,56.363 118.186,56.998
  lines w0.254: 113.208,9.246 127.406,9.246 127.406,14.757 113.208,14.757 113.208,9.246 ; 135.128,11.201 135.128,28.194 138.024,28.194 138.024,11.201 135.128,11.201
  lines w0.508: 126.758,57.405 126.758,41.022 142.887,41.022
  text "16VAC C.T." at 44.512,60.784 h1.02
  text "SET-BACK" at 73.101,60.701 h1.02
  text "Cut Out" at 23.507,37.593 h1.52
  text "CH #2" at 21.133,25.349 h1.02
  text "CH #1" at 61.048,25.224 h1.02
  text ".Version" at 137.389,23.495 h1.52 r90
  text "Version" at 137.338,12.598 h1.52 r90
  text "Vnn" at 114.376,11.278 h1.02
  text "V12" at 119.05,11.278 h1.02
  text "V24" at 123.622,11.278 h1.02
Bottom Overlay:
  lines w0.15: 71.976,51.617 75.976,51.617 ; 73.976,49.617 73.976,53.617
  lines w0.508: 126.758,57.405 126.758,41.022 142.887,41.022
  text "CH #2" at 48.817,8.005 h1.02
  text "CH #1" at 88.797,7.624 h1.02
Bottom Solder:
  rectangle: 9.029,16.257 15.766,33.529
Mechanical 1:
  lines w0.2: 1.56,37.621 144.08,37.621 ; 14.072,12.617 97.561,12.617 ; 38.583,4.118 97.815,4.118

## Text inside footprints (layer, text, board x,y; h text height)
BR1: Top Overlay "~" at 36.047,60.221 h1.5 r270; Top Overlay "~" at 35.947,57.921 h1.5 r270; Top Overlay "+" at 39.147,57.821 h1.5 r270; Top Overlay "-" at 39.247,60.121 h1.5 r270
JLC_Serial_Number1: Top Overlay "JLCJLCJLCJLC" at 114.148,15.443 h0.8
Logo1: Top Overlay "o" at 14.972,7.596 h10.16; Top Overlay "OSHW" at 11.518,10.212 h0.76
OLED1: Bottom Overlay "RES" at 41.976,35.569 h1.02 r180; Bottom Overlay "DC" at 41.976,33.069 h1.02 r180; Bottom Overlay "CS" at 41.976,30.497 h1.02 r180; Bottom Overlay "Gnd" at 41.976,45.617 h1.02 r180; Bottom Overlay "Vcc" at 41.976,43.117 h1.02 r180; Bottom Overlay "SCL" at 41.976,40.617 h1.02 r180; Bottom Overlay "SDA" at 41.976,38.117 h1.02 r180